# Altium PCB PIC32MZ_cam.PcbDoc (part 4 of 4)
Units mm, origin at the board's own origin, x right, y up, seen from the top; angles counter-clockwise.
Board outline 61.35 x 22.68 mm, 2 copper layers (Top Layer, Bottom Layer); 224 components, 62 nets, 1546 pads, 748 vias.
Unrouted connection lines stored in the file: 95.
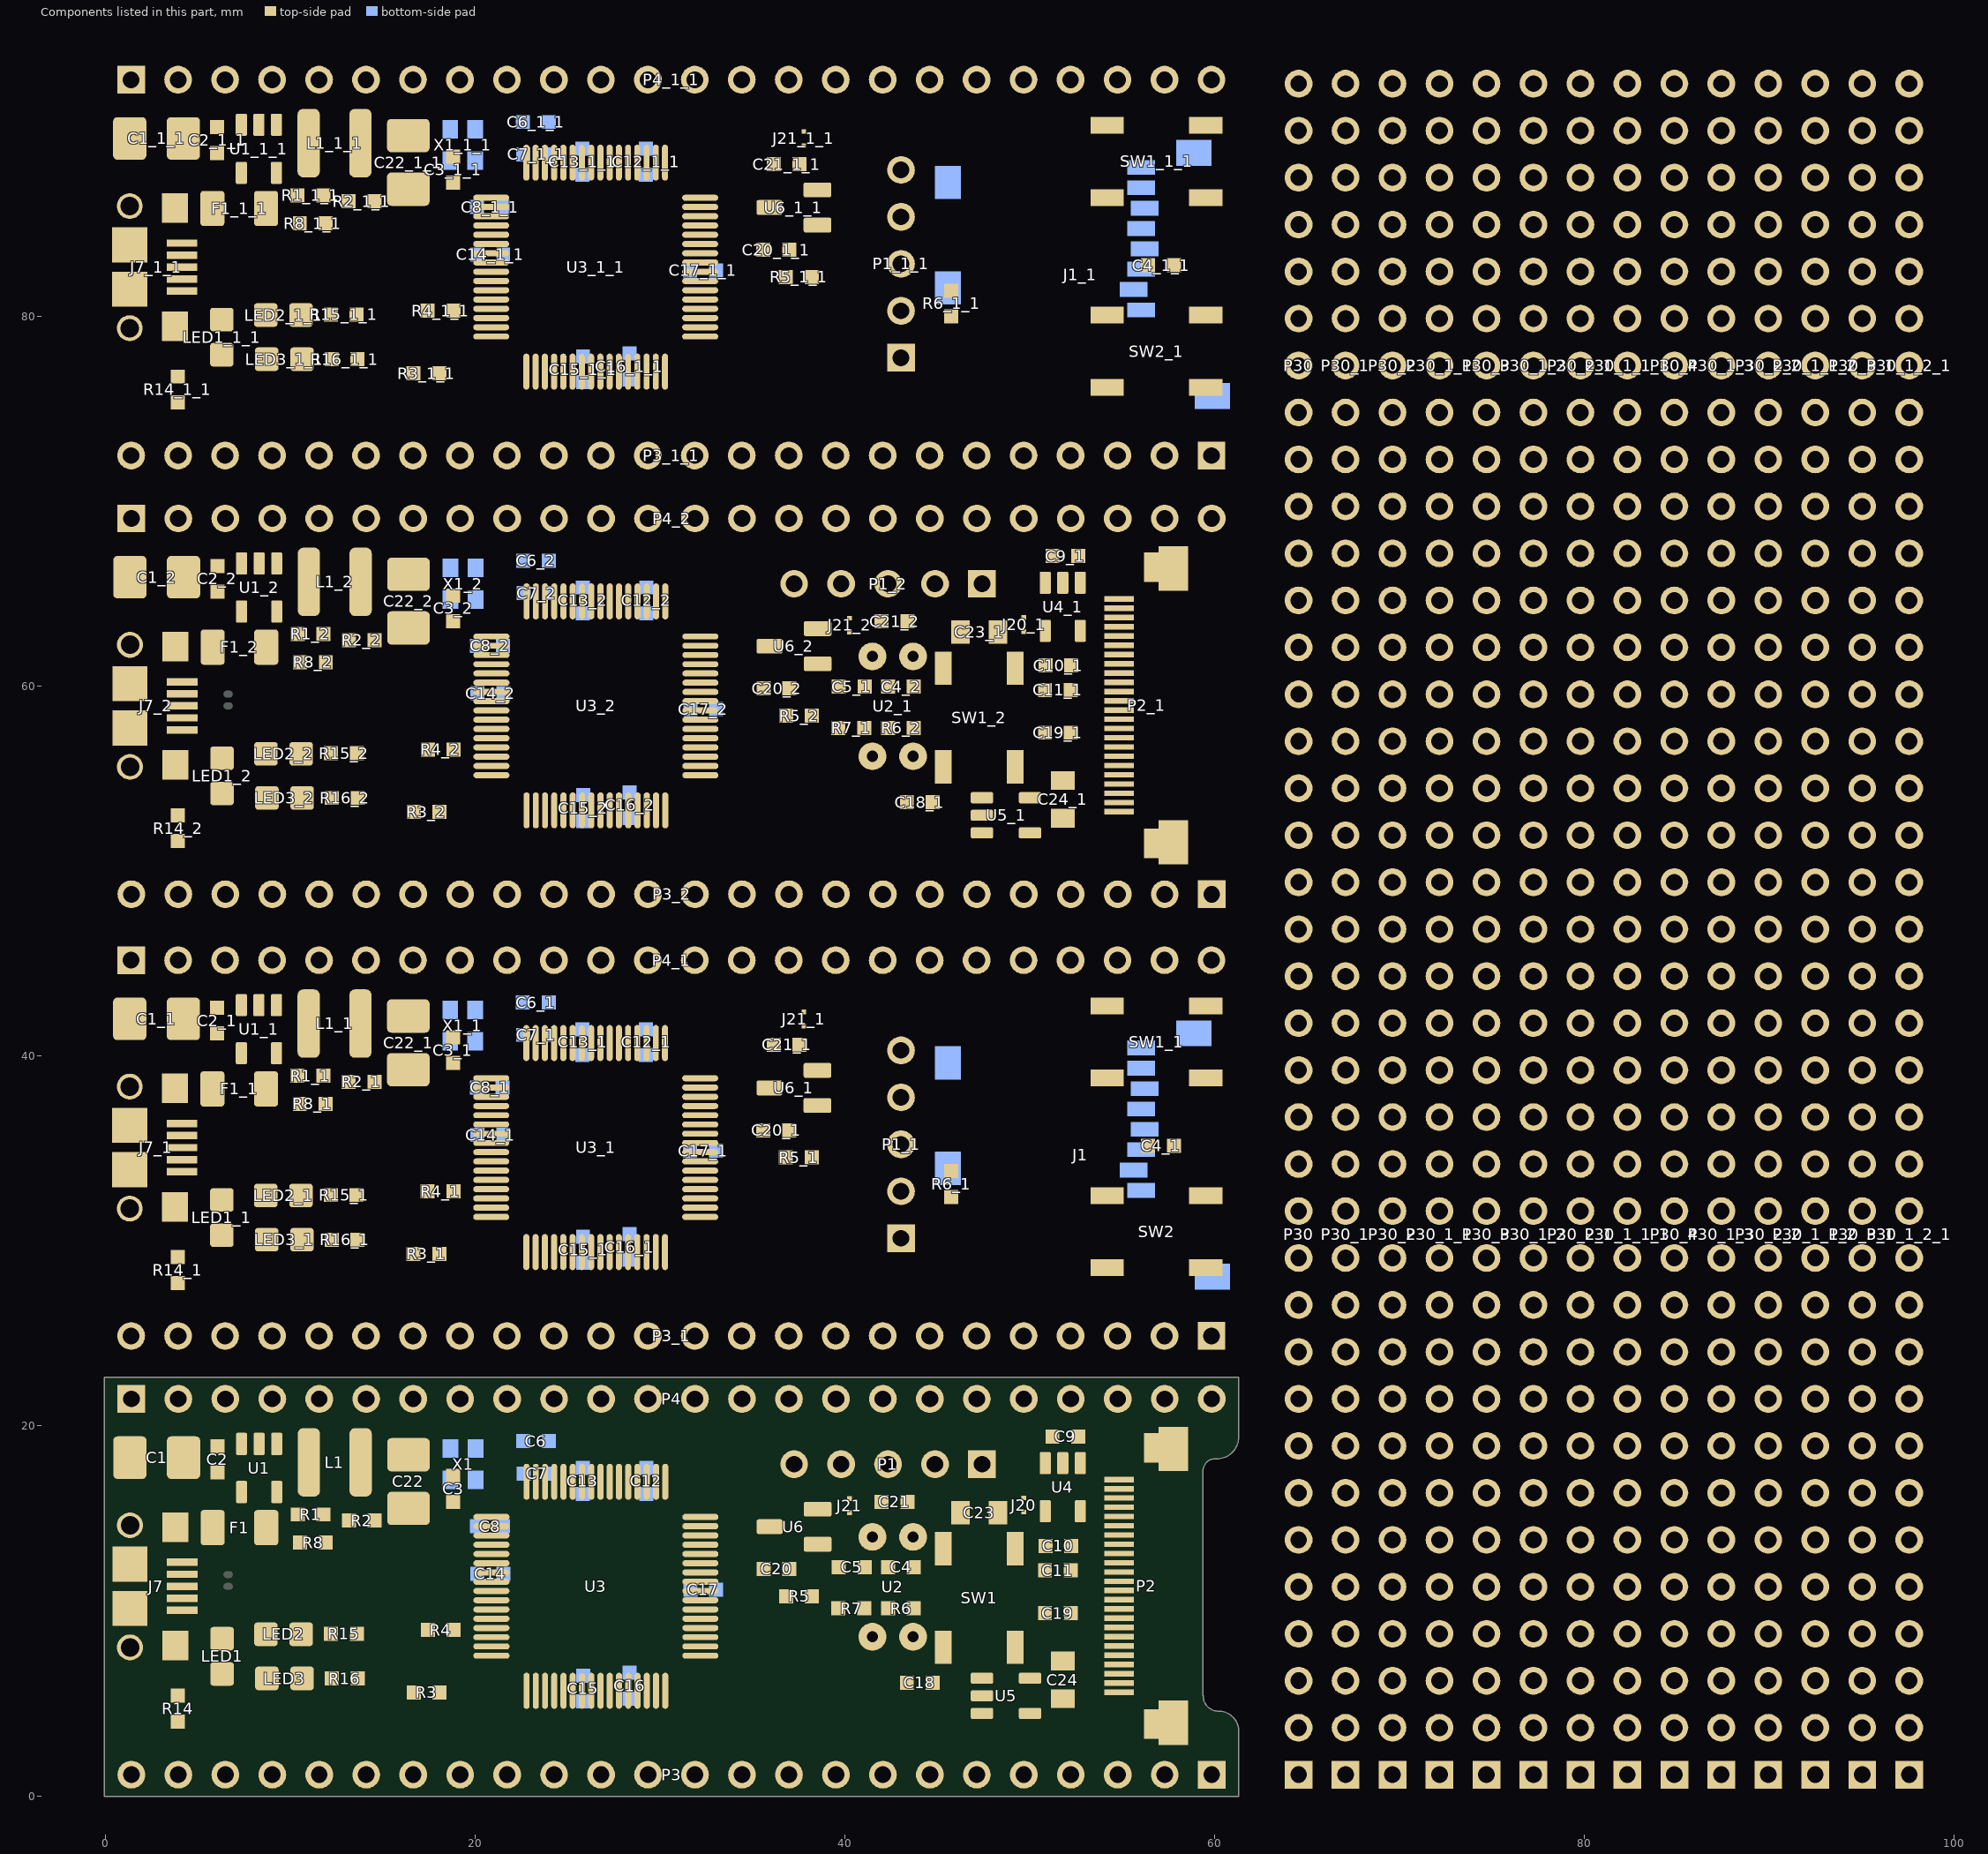
[diagram p4: the components of this part, seen from the top]

## Polygon pours and split planes (outlines as drawn) (continued)
no net on Bottom Layer "Top-GND" (solid, pour order 7): 0.243,93.66 59.933,93.66 cw(c59.933,92.593) 61,92.593 61,71.74 cw(c60.873,71.74) 60.873,71.613 1.361,71.613 cw(c1.361,72.73) 0.243,72.73
no net on Bottom Layer "Top-GND" (solid, pour order 7): 0.243,46.05 59.933,46.05 cw(c59.933,44.983) 61,44.983 61,24.13 cw(c60.873,24.13) 60.873,24.003 1.361,24.003 cw(c1.361,25.121) 0.243,25.121
GND on Bottom Layer "Top-GND" (solid, pour order 4): 0.533,22.301 60.249,22.301 60.782,21.768 60.731,21.717 60.731,18.694 60.579,18.542 60.274,18.466 59.538,18.237 59.233,17.831 59.207,17.221 59.233,16.129 59.233,5.563 59.233,5.156 59.461,4.775 60.071,4.445 60.681,4.369 61.011,4.089 61.062,3.734 61.062,0.864 60.731,0.864 60.731,0.813 60.274,0.356 54.864,0.356 1.067,0.356 0.508,0.914
no net on Top Layer "Top-GND" (solid, pour order 3): 0.533,69.911 60.249,69.911 61.062,69.098 61.062,66.634 60.579,66.152 60.274,66.076 59.538,65.847 59.233,65.441 59.207,64.831 59.233,63.739 59.233,53.172 59.233,52.766 59.461,52.385 60.071,52.055 60.681,51.979 61.011,51.699 61.062,51.344 61.062,48.473 60.731,48.473 60.731,48.423 60.274,47.965 54.864,47.965 1.067,47.965 0.508,48.524
no net on Top Layer "Top-GND" (solid, pour order 7): 0.243,93.66 59.933,93.66 cw(c59.933,92.593) 61,92.593 61,71.74 cw(c60.873,71.74) 60.873,71.613 1.361,71.613 cw(c1.361,72.73) 0.243,72.73
no net on Top Layer "Top-GND" (solid, pour order 7): 0.243,46.05 59.933,46.05 cw(c59.933,44.983) 61,44.983 61,24.13 cw(c60.873,24.13) 60.873,24.003 1.361,24.003 cw(c1.361,25.121) 0.243,25.121
GND on Top Layer "Top-GND" (solid, pour order 3): 0.533,22.301 60.249,22.301 61.062,21.488 61.062,19.025 60.579,18.542 60.274,18.466 59.538,18.237 59.233,17.831 59.207,17.221 59.233,16.129 59.233,5.563 59.233,5.156 59.461,4.775 60.071,4.445 60.681,4.369 61.011,4.089 61.062,3.734 61.062,0.864 60.731,0.864 60.731,0.813 60.274,0.356 54.864,0.356 1.067,0.356 0.508,0.914

## Keep-outs
Keep-Out Layer:
  lines w0.076: -0.005,25.034 ccw(c1.305,25.034) 1.305,23.724 3.073,23.724 cw(c3.073,23.241) 3.556,23.241 3.556,23.012 cw(c3.15,23.012) 3.15,22.606 2.616,22.606 0.607,22.606 ccw(c0.607,21.999) 0,21.999 0,1.311 ccw(c1.311,1.311) 1.311,0 60.985,0 ccw(c60.985,0.279) 61.265,0.279 ; -0.005,72.644 ccw(c1.305,72.644) 1.305,71.333 3.073,71.333 cw(c3.073,70.851) 3.556,70.851 3.556,70.622 cw(c3.15,70.622) 3.15,70.216 2.616,70.216 0.607,70.216 ccw(c0.607,69.609) 0,69.609 0,48.92 ccw(c1.311,48.92) 1.311,47.61 3.079,47.61 cw(c3.079,47.107) 3.581,47.107 3.581,46.888 cw(c3.023,46.888) 3.023,46.33 2.605,46.33 0.596,46.33 ccw(c0.596,45.723) -0.011,45.723 -0.011,25.034 ccw(c1.3,25.034) 1.3,23.724 ; 1.3,71.333 cw(c1.3,72.644) -0.011,72.644 -0.011,93.332 cw(c0.596,93.332) 0.596,93.939 59.943,93.939 cw(c59.943,92.629) 61.254,92.629 61.254,91.923 61.239,91.908 ccw(c61.697,91.908) 61.697,91.451 61.9,91.451 ccw(c61.9,91.908) 62.357,91.908 62.357,92.619 62.408,92.669 cw(c63.678,92.669) 63.678,93.939 98.196,93.939 cw(c98.196,92.669) 99.466,92.669 99.466,1.27 cw(c98.196,1.27) 98.196,0 62.763,0 cw(c62.763,0.381) 62.382,0.381 62.382,0.858 ccw(c62.052,0.858) 62.052,1.188 61.595,1.188 ccw(c61.595,0.858) 61.265,0.858 61.265,0.314 ; 56.022,46.319 ccw(c56.022,46.33) 56.032,46.33 ; 59.334,5.407 59.334,17.577 cw(c60.02,17.577) 60.02,18.263 60.122,18.263 ccw(c60.122,19.406) 61.265,19.406 cw(c61.595,19.406) 61.595,19.736 62.052,19.736 cw(c62.052,19.406) 62.382,19.406 ; 59.334,53.016 59.334,65.187 cw(c60.02,65.187) 60.02,65.872 60.122,65.872 ccw(c60.122,67.015) 61.265,67.015 61.265,67.178 61.276,67.189 cw(c61.708,67.189) 61.708,67.621 61.987,67.621 cw(c61.987,67.215) 62.393,67.215 62.393,67.164 62.382,67.153 62.382,50.419 cw(c61.925,50.419) 61.925,49.962 61.722,49.962 cw(c61.722,50.419) 61.265,50.419 61.265,51.078 61.273,51.086 ccw(c60.206,51.086) 60.206,52.153 cw(c60.206,53.016) 59.343,53.016 ; 59.343,5.407 ccw(c60.206,5.407) 60.206,4.543 cw(c60.206,3.476) 61.273,3.476 61.273,2.964 ccw(c61.29,2.964) 61.29,2.946 ccw(c61.747,2.946) 61.747,2.489 61.951,2.489 ccw(c61.951,2.946) 62.408,2.946 62.408,19.38 ; 59.943,46.33 cw(c59.943,45.019) 61.254,45.019 61.254,44.414 61.239,44.399 ccw(c61.697,44.399) 61.697,43.942 61.9,43.942 ccw(c61.9,44.399) 62.357,44.399 62.408,44.45 62.408,48.692 62.408,48.743 ccw(c62.001,48.743) 62.001,49.149 61.722,49.149 ccw(c61.722,48.717) 61.29,48.717 ; 60.02,46.33 58.826,46.33 cw(c58.826,46.888) 58.268,46.888 58.268,47.107 cw(c58.77,47.107) 58.77,47.61 60.985,47.61 ccw(c60.985,47.889) 61.265,47.889 61.265,48.743 ; 60.974,23.724 ccw(c60.974,24.003) 61.254,24.003 ; 60.974,71.333 ccw(c60.974,71.613) 61.254,71.613 ; 61.254,74.32 61.239,74.306 ; 61.265,21.295 ccw(c59.954,21.295) 59.954,22.606 59.411,22.606 cw(c59.411,22.936) 59.08,22.936 59.08,23.393 cw(c59.411,23.393) 59.411,23.724 60.98,23.724 ccw(c60.98,24.003) 61.259,24.003 ccw(c61.259,24.034) 61.29,24.034 61.29,24.917 cw(c61.722,24.917) 61.722,25.349 62.001,25.349 cw(c62.001,24.943) 62.408,24.943 62.408,24.892 62.408,21.26 cw(c61.951,21.26) 61.951,20.803 61.747,20.803 cw(c61.747,21.26) 61.29,21.26 cw(c61.29,21.277) 61.273,21.277 ; 62.382,90.181 62.382,90.232 ; 56.032,46.33 ccw(c56.032,46.888) 56.591,46.888 56.591,47.107 ccw(c56.089,47.107) 56.089,47.61 cw(c56.078,47.61) 56.078,47.6 ccw(c56.068,47.6) 56.068,47.61 32.176,47.61 ccw(c32.176,47.107) 31.674,47.107 31.674,46.888 ccw(c32.233,46.888) 32.233,46.33 56.032,46.33 ; 61.239,74.306 ccw(c61.697,74.306) 61.697,73.849 61.9,73.849 ccw(c61.9,74.306) 62.357,74.306 62.382,74.331 62.382,90.232 ; 61.239,74.306 61.239,90.181 61.265,90.206 cw(c61.697,90.206) 61.697,90.638 61.976,90.638 cw(c61.976,90.232) 62.382,90.232 ; 4.369,23.038 ccw(c4.801,23.038) 4.801,22.606 30.582,22.606 ccw(c30.582,23.063) 31.039,23.063 31.039,23.266 ccw(c30.582,23.266) 30.582,23.724 4.826,23.724 4.775,23.724 ccw(c4.775,23.317) 4.369,23.317 4.369,23.038 ; 4.369,70.648 ccw(c4.801,70.648) 4.801,70.216 30.582,70.216 ccw(c30.582,70.673) 31.039,70.673 31.039,70.876 ccw(c30.582,70.876) 30.582,71.333 4.826,71.333 4.775,71.333 ccw(c4.775,70.927) 4.369,70.927 4.369,70.648 ; 4.724,46.822 ccw(c5.227,46.822) 5.227,46.319 29.428,46.319 ccw(c29.428,46.33) 29.439,46.33 ccw(c29.439,46.888) 29.997,46.888 29.997,47.107 ccw(c29.495,47.107) 29.495,47.61 cw(c29.485,47.61) 29.485,47.6 5.283,47.6 ccw(c5.283,47.041) 4.724,47.041 4.724,46.822 ; 31.852,23.063 ccw(c32.283,23.063) 32.283,22.631 58.064,22.631 ccw(c58.064,23.089) 58.522,23.089 58.522,23.292 ccw(c58.064,23.292) 58.064,23.749 32.309,23.749 32.258,23.749 ccw(c32.258,23.343) 31.852,23.343 31.852,23.063 ; 31.852,70.673 ccw(c32.283,70.673) 32.283,70.241 58.064,70.241 ccw(c58.064,70.698) 58.522,70.698 58.522,70.902 ccw(c58.064,70.902) 58.064,71.359 32.309,71.359 32.258,71.359 ccw(c32.258,70.952) 31.852,70.952 31.852,70.673 ; 59.08,70.546 ccw(c59.411,70.546) 59.411,70.216 59.954,70.216 cw(c59.954,68.905) 61.265,68.905 61.25,68.891 ccw(c61.708,68.891) 61.708,68.434 61.911,68.434 ccw(c61.911,68.891) 62.368,68.891 62.368,72.564 62.382,72.579 62.382,72.63 ccw(c61.976,72.63) 61.976,73.036 61.697,73.036 ccw(c61.697,72.604) 61.265,72.604 61.259,72.599 61.259,71.613 cw(c60.98,71.613) 60.98,71.333 59.411,71.333 ccw(c59.411,71.003) 59.08,71.003 59.08,70.546 ; 61.265,26.619 ccw(c61.722,26.619) 61.722,26.162 61.925,26.162 ccw(c61.925,26.619) 62.382,26.619 62.382,42.672 62.382,42.723 ccw(c61.976,42.723) 61.976,43.129 61.697,43.129 ccw(c61.697,42.697) 61.265,42.697 61.265,29.687 61.265,26.619

## Silkscreen, mask and mechanical layers (free items; w line width, h text height)
Top Overlay:
  circle w0.381: c38.735,55.052 r0.185
  circle w0.381: c38.71,55.56 r1.223
  circle w0.381: c38.71,7.95 r1.223
  circle w0.381: c38.735,7.442 r0.185
  text "F1" at 13.146,92.161 h0.64 r90
  text "F4" at 10.657,92.034 h0.71 r90
  text "3V3" at 58.892,91.552 h0.64 r90
  text "C14" at 3.037,91.425 h0.64 r90
  text "F5" at 8.168,91.272 h0.71 r90
  text "B0" at 56.453,91.247 h0.76 r90
  text "B1" at 53.913,91.222 h0.76 r90
  text "GND" at 0.319,91.095 h0.64
  text "C13" at 5.577,90.993 h0.71 r90
  text "F0" at 15.915,90.993 h0.76
  text "B3" at 49.976,90.561 h0.76 r90
  text "B2" at 52.465,90.561 h0.71 r90
  text "B6" at 42.28,90.383 h0.76 r90
  text "B7" at 39.994,90.358 h0.76 r90
  text "B5" at 44.82,90.358 h0.76 r90
  text "B8" at 37.251,90.333 h0.76 r90
  text "B4" at 47.309,90.282 h0.76 r90
  text "B9" at 34.736,90.256 h0.76 r90
  text "B14" at 22.189,89.926 h0.76 r90
  text "B13" at 24.703,89.926 h0.71 r90
  text "B11" at 29.631,89.926 h0.76 r90
  text "B15" at 19.547,89.875 h0.76 r90
  text "B12" at 27.167,89.825 h0.76 r90
  text "B10" at 32.222,89.799 h0.76 r90
  text "RST" at 53.989,87.589 h0.76 r90
  text "PGC" at 41.34,87.208 h0.64 r90
  text "PGD" at 41.416,84.668 h0.64 r90
  text "GND" at 41.416,82.052 h0.64 r90
  text "C13" at 8.93,81.265 h0.64
  text "3V3" at 41.416,79.411 h0.64 r90
  text "PIC32MZ" at 26.989,78.776 h2.03 r90
  text "2" at 48.147,78.598 h0.76 r90
  text "B2" at 54.243,77.531 h0.76 r90
  text "~M" at 41.467,76.947 h0.64 r90
  text "C14" at 8.904,75.982 h0.64
  text "Zwei" at 48.63,75.829 h0.76 r90
  text "1915 V1.0" at 50.078,75.778 h0.71 r90
  text "www.CircuitValley.com" at 51.272,75.753 h0.76 r90
  text "3V3" at 3.088,73.696 h0.76
  text "D0" at 6.872,73.696 h0.76 r90
  text "D1" at 9.489,73.696 h0.76 r90
  text "D2" at 12.029,73.696 h0.76 r90
  text "D3" at 14.569,73.696 h0.76 r90
  text "D4" at 17.109,73.696 h0.76 r90
  text "D5" at 19.598,73.696 h0.76 r90
  text "D9" at 22.112,73.696 h0.76 r90
  text "D10" at 24.678,73.696 h0.76 r90
  text "D11" at 27.243,73.696 h0.76 r90
  text "G6" at 29.732,73.696 h0.76 r90
  text "G7" at 32.272,73.696 h0.76 r90
  text "G8" at 34.863,73.696 h0.76 r90
  text "G9" at 37.403,73.696 h0.76 r90
  text "E0" at 39.918,73.696 h0.76 r90
  text "E1" at 42.458,73.696 h0.76 r90
  text "E2" at 44.998,73.696 h0.76 r90
  text "E3" at 47.563,73.696 h0.76 r90
  text "E4" at 50.027,73.696 h0.76 r90
  text "E5" at 52.567,73.696 h0.76 r90
  text "+5V" at 1.843,73.67 h0.76 r90
  text "E6" at 55.031,73.67 h0.64 r90
  text "E7" at 57.571,73.67 h0.64 r90
  text "GND" at 58.688,73.67 h0.76
  text "F1" at 13.157,68.438 h0.64 r90
  text "F4" at 10.668,68.311 h0.71 r90
  text "B1" at 53.873,67.981 h0.76 r90
  text "B2" at 51.333,67.904 h0.71 r90
  text "B0" at 56.464,67.828 h0.76 r90
  text "C14" at 3.048,67.701 h0.64 r90
  text "F5" at 8.179,67.549 h0.71 r90
  text "GND" at 0.33,67.371 h0.64
  text "B6" at 41.224,67.371 h0.76 r90
  text "B7" at 38.938,67.346 h0.76 r90
  text "B5" at 43.764,67.346 h0.76 r90
  text "B8" at 36.195,67.32 h0.76 r90
  text "C13" at 5.588,67.269 h0.71 r90
  text "F0" at 15.926,67.269 h0.76
  text "B4" at 46.253,67.269 h0.76 r90
  text "B3" at 49.987,66.838 h0.76 r90
  text "B9" at 34.747,66.685 h0.76 r90
  text "B14" at 22.2,66.203 h0.76 r90
  text "B13" at 24.714,66.203 h0.71 r90
  text "B11" at 29.642,66.203 h0.76 r90
  text "B15" at 19.558,66.152 h0.76 r90
  text "B12" at 27.178,66.101 h0.76 r90
  text "B10" at 32.233,66.076 h0.76 r90
  text "3V3" at 60.3,65.949 h0.76 r90
  text "~M" at 49.759,64.806 h0.64 r90
  text "PGC" at 35.763,64.653 h0.64 r90
  text "RST" at 46.507,61.148 h0.64
  text "C13" at 8.941,57.541 h0.64
  text "PIC32MZ" at 27,55.052 h2.03 r90
  text "2" at 35.941,54.544 h0.76
  text "Zwei" at 33.223,53.96 h0.76
  text "1915 V1.0 CAM" at 33.071,52.817 h0.71
  text "C14" at 8.915,52.258 h0.64
  text "www.CircuitValley.com" at 30.124,51.725 h0.76
  text "3V3" at 3.099,49.972 h0.76
  text "D0" at 6.883,49.972 h0.76 r90
  text "D1" at 9.5,49.972 h0.76 r90
  text "D2" at 12.04,49.972 h0.76 r90
  text "D3" at 14.58,49.972 h0.76 r90
  text "D4" at 17.12,49.972 h0.76 r90
  text "D5" at 19.609,49.972 h0.76 r90
  text "D9" at 22.123,49.972 h0.76 r90
  text "D10" at 24.689,49.972 h0.76 r90
  text "D11" at 27.254,49.972 h0.76 r90
  text "G6" at 29.743,49.972 h0.76 r90
  text "G7" at 32.283,49.972 h0.76 r90
  text "G8" at 34.874,49.972 h0.76 r90
  text "G9" at 37.414,49.972 h0.76 r90
  text "E0" at 39.929,49.972 h0.76 r90
  text "E1" at 42.469,49.972 h0.76 r90
  text "E2" at 45.009,49.972 h0.76 r90
  text "E3" at 47.574,49.972 h0.76 r90
  text "E4" at 50.038,49.972 h0.76 r90
  text "E5" at 52.578,49.972 h0.76 r90
  text "+5V" at 1.854,49.947 h0.76 r90
  text "GND" at 60.223,49.794 h0.76 r90
  text "E6" at 53.873,49.134 h0.64 r90
  text "E7" at 56.337,49.083 h0.64 r90
  text "F1" at 13.146,44.552 h0.64 r90
  text "F4" at 10.657,44.425 h0.71 r90
  text "3V3" at 58.892,43.942 h0.64 r90
  text "C14" at 3.037,43.815 h0.64 r90
  text "F5" at 8.168,43.663 h0.71 r90
  text "B0" at 56.453,43.637 h0.76 r90
  text "B1" at 53.913,43.612 h0.76 r90
  text "GND" at 0.319,43.485 h0.64
  text "C13" at 5.577,43.383 h0.71 r90
  text "F0" at 15.915,43.383 h0.76
  text "B3" at 49.976,42.951 h0.76 r90
  text "B2" at 52.465,42.951 h0.71 r90
  text "B6" at 42.28,42.774 h0.76 r90
  text "B7" at 39.994,42.748 h0.76 r90
  text "B5" at 44.82,42.748 h0.76 r90
  text "B8" at 37.251,42.723 h0.76 r90
  text "B4" at 47.309,42.672 h0.76 r90
  text "B9" at 34.736,42.647 h0.76 r90
  text "B14" at 22.189,42.316 h0.76 r90
  text "B13" at 24.703,42.316 h0.71 r90
  text "B11" at 29.631,42.316 h0.76 r90
  text "B15" at 19.547,42.266 h0.76 r90
  text "B12" at 27.167,42.215 h0.76 r90
  text "B10" at 32.222,42.189 h0.76 r90
  text "RST" at 53.989,39.98 h0.76 r90
  text "PGC" at 41.34,39.599 h0.64 r90
  text "PGD" at 41.416,37.059 h0.64 r90
  text "GND" at 41.416,34.442 h0.64 r90
  text "C13" at 8.93,33.655 h0.64
  text "3V3" at 41.416,31.801 h0.64 r90
  text "PIC32MZ" at 26.989,31.166 h2.03 r90
  text "2" at 48.147,30.988 h0.76 r90
  text "B2" at 54.243,29.921 h0.76 r90
  text "~M" at 41.467,29.337 h0.64 r90
  text "C14" at 8.904,28.372 h0.64
  text "Zwei" at 48.63,28.219 h0.76 r90
  text "1915 V1.0" at 50.078,28.169 h0.71 r90
  text "www.CircuitValley.com" at 51.272,28.143 h0.76 r90
  text "3V3" at 3.088,26.086 h0.76
  text "D0" at 6.872,26.086 h0.76 r90
  text "D1" at 9.489,26.086 h0.76 r90
  text "D2" at 12.029,26.086 h0.76 r90
  text "D3" at 14.569,26.086 h0.76 r90
  text "D4" at 17.109,26.086 h0.76 r90
  text "D5" at 19.598,26.086 h0.76 r90
  text "D9" at 22.112,26.086 h0.76 r90
  text "D10" at 24.678,26.086 h0.76 r90
  text "D11" at 27.243,26.086 h0.76 r90
  text "G6" at 29.732,26.086 h0.76 r90
  text "G7" at 32.272,26.086 h0.76 r90
  text "G8" at 34.863,26.086 h0.76 r90
  text "G9" at 37.403,26.086 h0.76 r90
  text "E0" at 39.918,26.086 h0.76 r90
  text "E1" at 42.458,26.086 h0.76 r90
  text "E2" at 44.998,26.086 h0.76 r90
  text "E3" at 47.563,26.086 h0.76 r90
  text "E4" at 50.027,26.086 h0.76 r90
  text "E5" at 52.567,26.086 h0.76 r90
  text "+5V" at 1.843,26.06 h0.76 r90
  text "E6" at 55.031,26.06 h0.64 r90
  text "E7" at 57.571,26.06 h0.64 r90
  text "GND" at 58.688,26.06 h0.76
  text "F1" at 13.157,20.828 h0.64 r90
  text "F4" at 10.668,20.701 h0.71 r90
  text "B1" at 53.873,20.371 h0.76 r90
  text "B2" at 51.333,20.295 h0.71 r90
  text "B0" at 56.464,20.218 h0.76 r90
  text "C14" at 3.048,20.091 h0.64 r90
  text "F5" at 8.179,19.939 h0.71 r90
  text "GND" at 0.33,19.761 h0.64
  text "B6" at 41.224,19.761 h0.76 r90
  text "B7" at 38.938,19.736 h0.76 r90
  text "B5" at 43.764,19.736 h0.76 r90
  text "B8" at 36.195,19.71 h0.76 r90
  text "C13" at 5.588,19.66 h0.71 r90
  text "F0" at 15.926,19.66 h0.76
  text "B4" at 46.253,19.66 h0.76 r90
  text "B3" at 49.987,19.228 h0.76 r90
  text "B9" at 34.747,19.075 h0.76 r90
  text "B14" at 22.2,18.593 h0.76 r90
  text "B13" at 24.714,18.593 h0.71 r90
  text "B11" at 29.642,18.593 h0.76 r90
  text "B15" at 19.558,18.542 h0.76 r90
  text "B12" at 27.178,18.491 h0.76 r90
  text "B10" at 32.233,18.466 h0.76 r90
  text "3V3" at 60.3,18.339 h0.76 r90
  text "~M" at 49.759,17.196 h0.64 r90
  text "PGC" at 35.763,17.043 h0.64 r90
  text "RST" at 46.507,13.538 h0.64
  text "C13" at 8.941,9.931 h0.64
  text "PIC32MZ" at 27,7.442 h2.03 r90
  text "2" at 35.941,6.934 h0.76
  text "Zwei" at 33.223,6.35 h0.76
  text "1915 V1.0 CAM" at 33.071,5.207 h0.71
  text "C14" at 8.915,4.648 h0.64
  text "www.CircuitValley.com" at 30.124,4.115 h0.76
  text "3V3" at 3.099,2.362 h0.76
  text "D0" at 6.883,2.362 h0.76 r90
  text "D1" at 9.5,2.362 h0.76 r90
  text "D2" at 12.04,2.362 h0.76 r90
  text "D3" at 14.58,2.362 h0.76 r90
  text "D4" at 17.12,2.362 h0.76 r90
  text "D5" at 19.609,2.362 h0.76 r90
  text "D9" at 22.123,2.362 h0.76 r90
  text "D10" at 24.689,2.362 h0.76 r90
  text "D11" at 27.254,2.362 h0.76 r90
  text "G6" at 29.743,2.362 h0.76 r90
  text "G7" at 32.283,2.362 h0.76 r90
  text "G8" at 34.874,2.362 h0.76 r90
  text "G9" at 37.414,2.362 h0.76 r90
  text "E0" at 39.929,2.362 h0.76 r90
  text "E1" at 42.469,2.362 h0.76 r90
  text "E2" at 45.009,2.362 h0.76 r90
  text "E3" at 47.574,2.362 h0.76 r90
  text "E4" at 50.038,2.362 h0.76 r90
  text "E5" at 52.578,2.362 h0.76 r90
  text "+5V" at 1.854,2.337 h0.76 r90
  text "GND" at 60.223,2.184 h0.76 r90
  text "E6" at 53.873,1.524 h0.64 r90
  text "E7" at 56.337,1.473 h0.64 r90
Bottom Solder:
  circle w0.381: c11.354,53.63 r0.185
  circle w0.381: c11.379,54.138 r1.223
  circle w0.381: c11.379,6.528 r1.223
  circle w0.381: c11.354,6.02 r0.185
  text "2" at 13.934,77.048 h0.76
  text "Zwei" at 17.109,76.312 h0.89
  text "1915 V1.0" at 17.083,75.143 h0.71
  text "www.CircuitValley.com" at 17.032,74.102 h0.76
  text "2" at 13.945,53.325 h0.76
  text "Zwei" at 17.12,52.588 h0.89
  text "1915 V1.0 CAM" at 17.094,51.42 h0.71
  text "www.CircuitValley.com" at 17.043,50.378 h0.76
  text "2" at 13.934,29.439 h0.76
  text "Zwei" at 17.109,28.702 h0.89
  text "1915 V1.0" at 17.083,27.534 h0.71
  text "www.CircuitValley.com" at 17.032,26.492 h0.76
  text "2" at 13.945,5.715 h0.76
  text "Zwei" at 17.12,4.978 h0.89
  text "1915 V1.0 CAM" at 17.094,3.81 h0.71
  text "www.CircuitValley.com" at 17.043,2.769 h0.76